# Altium PCB AMS_A2_Sample.PcbDoc (part 1 of 2)
Units mm, origin at the board's own origin, x right, y up, seen from the top; angles counter-clockwise.
Board outline 138.94 x 155.83 mm, 6 copper layers (Top Layer (GND), Int1 (Signal), Int2 (GND), Int3 (PWR), Int4 (GND), Bottom Layer (Signal)), stack 1.551 mm thick; 217 components, 151 nets, 764 pads, 566 vias.
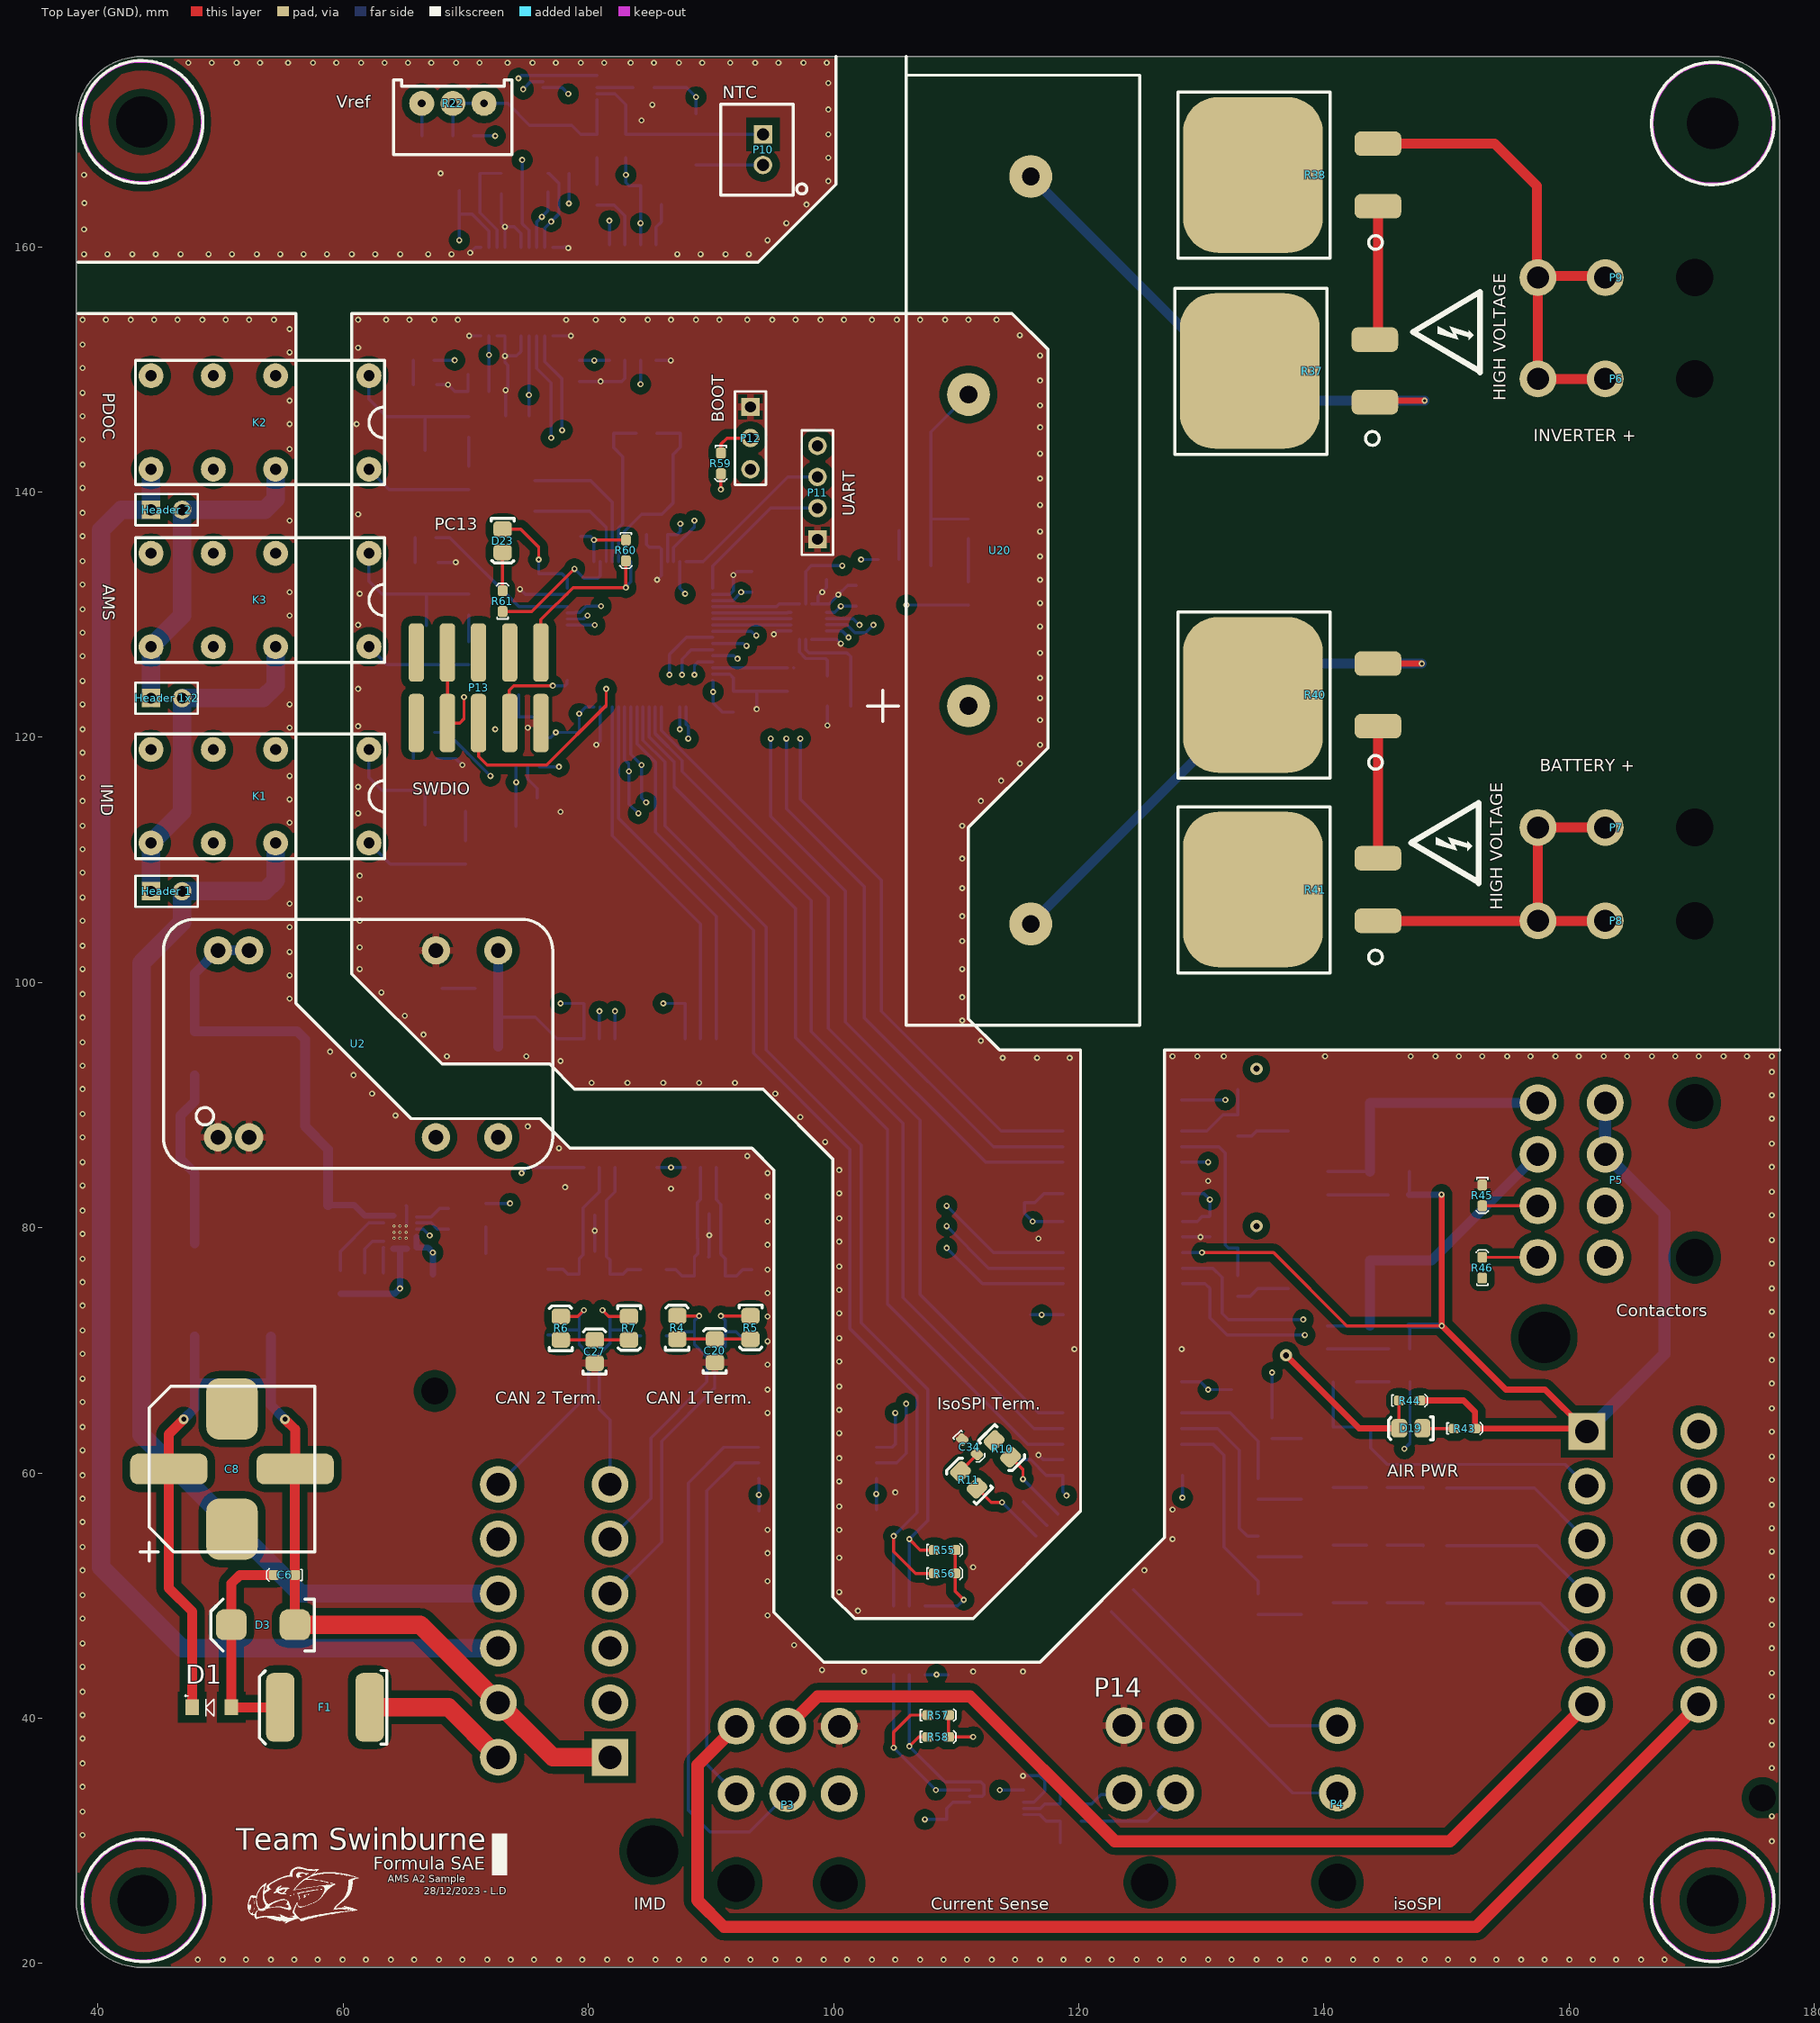
[diagram p0: Top Layer (GND) view]
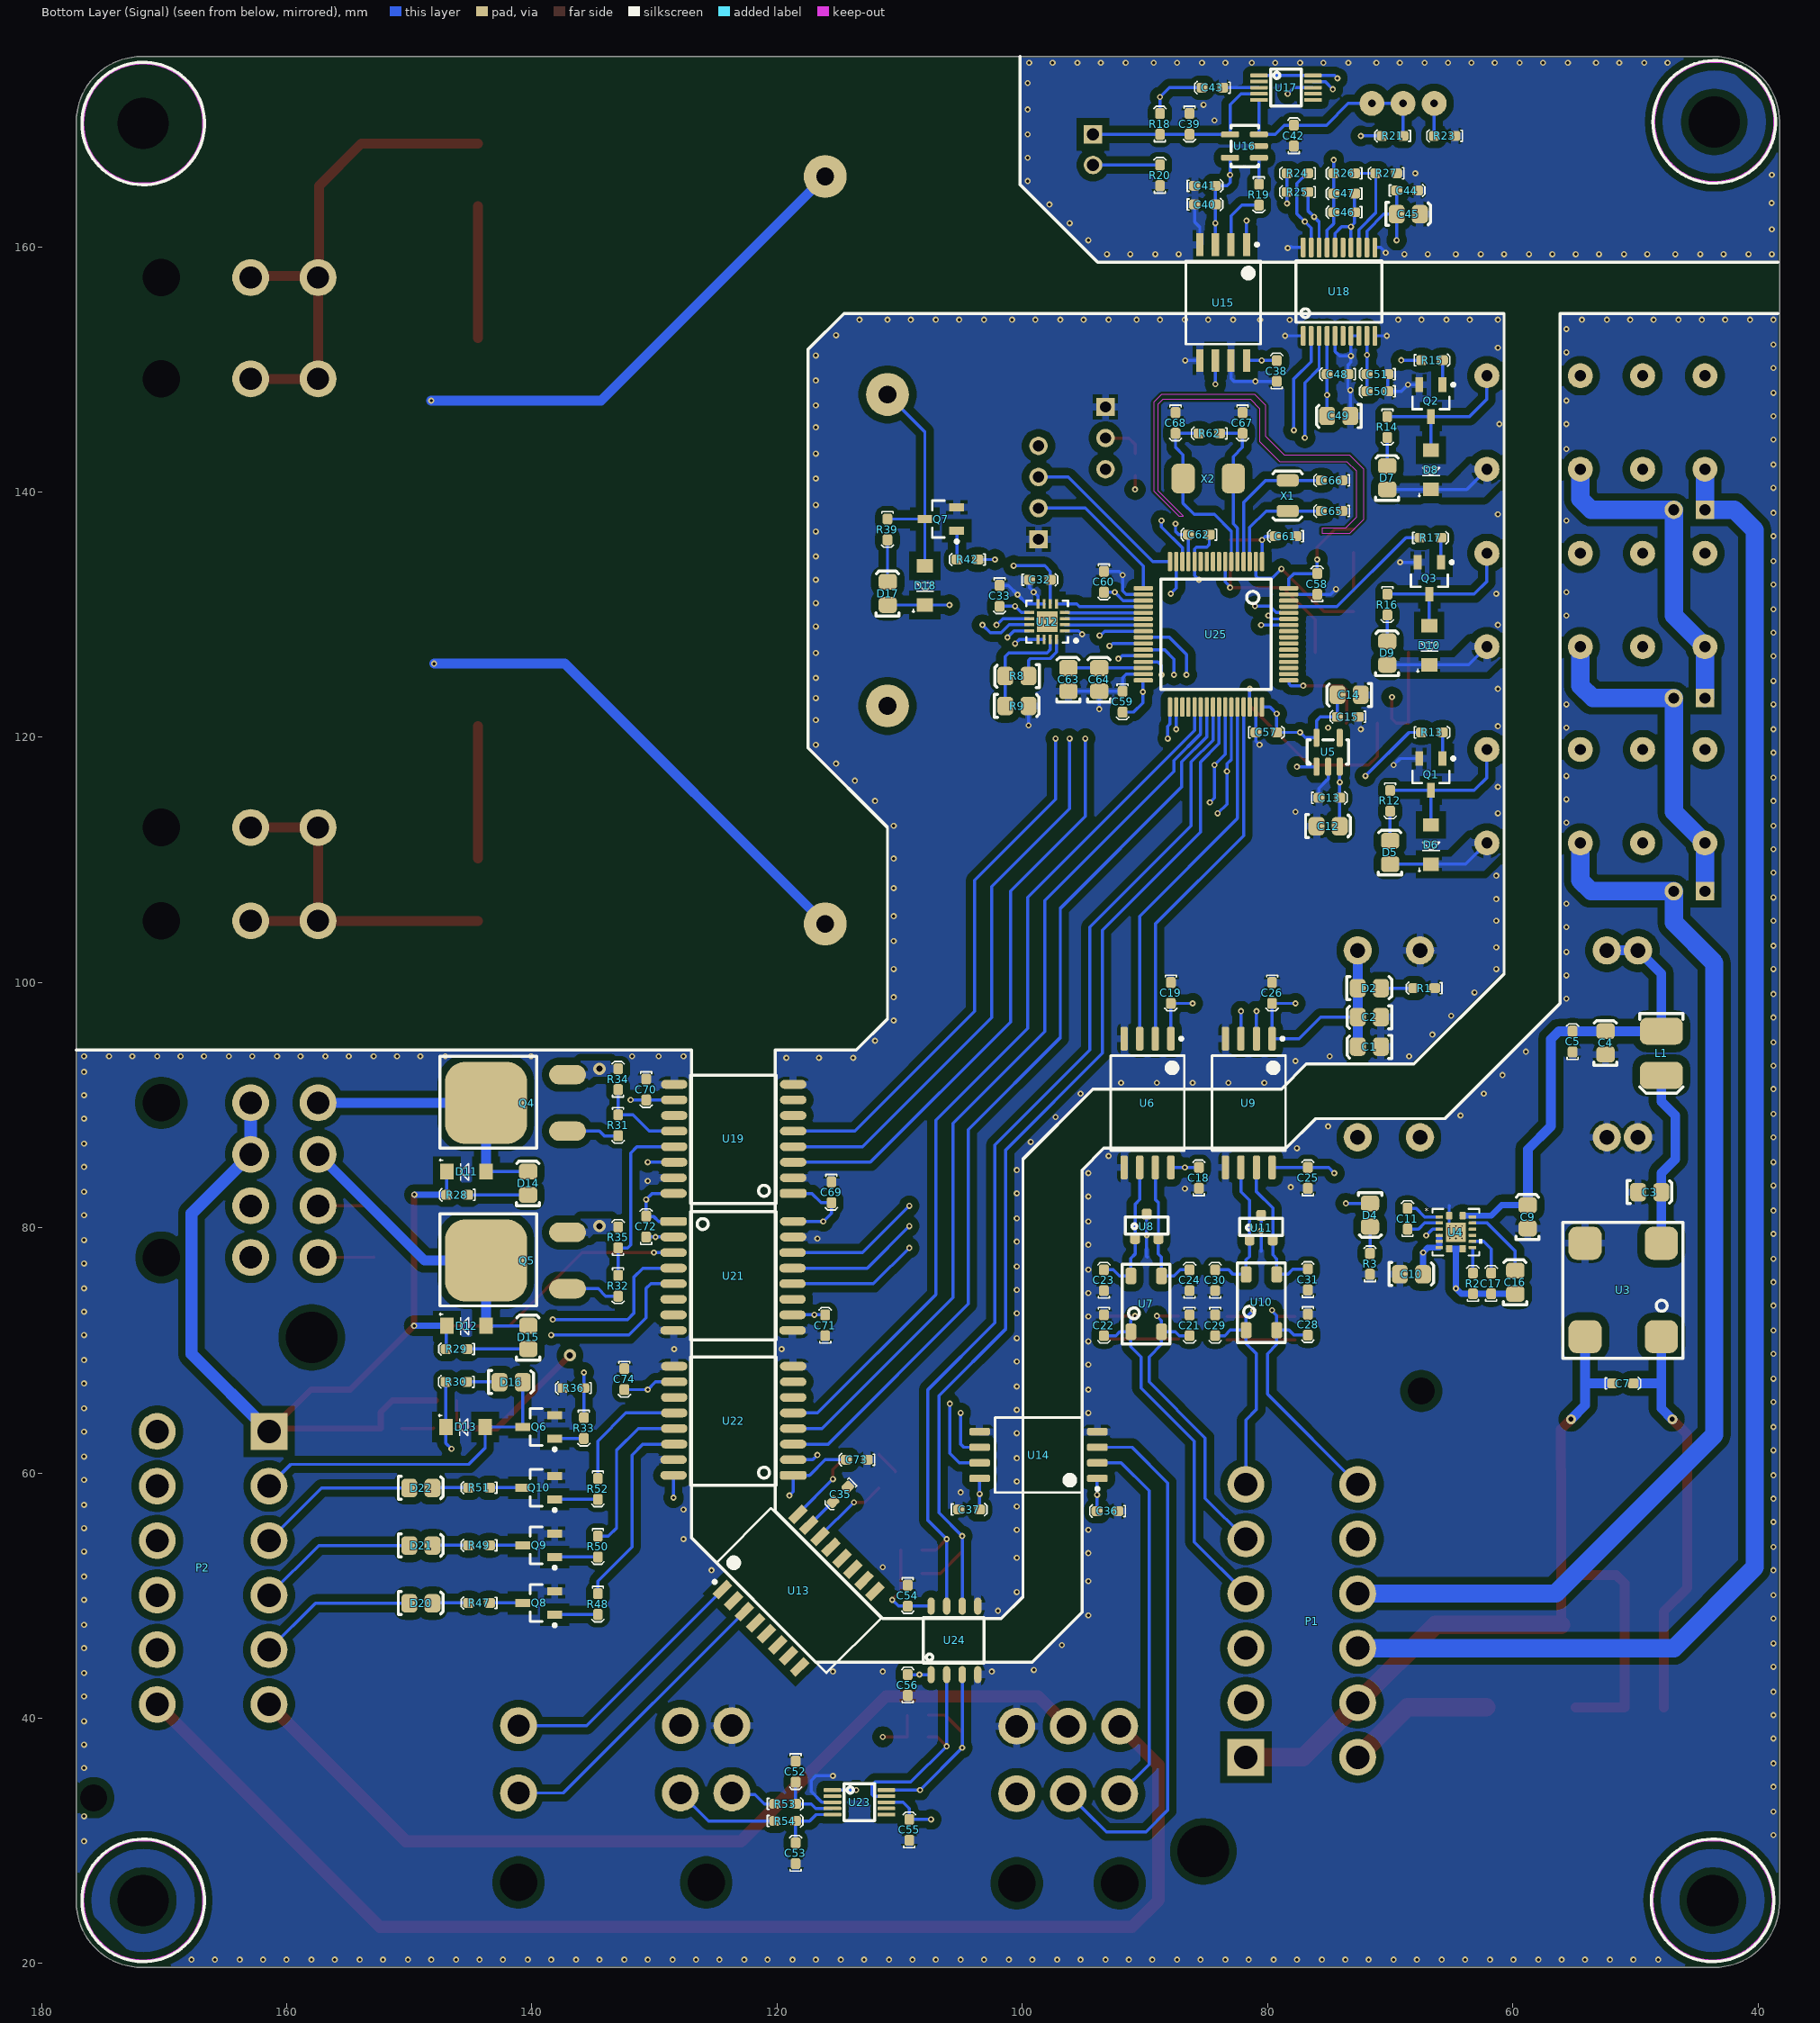
[diagram p1: Bottom Layer (Signal) view, seen from below]
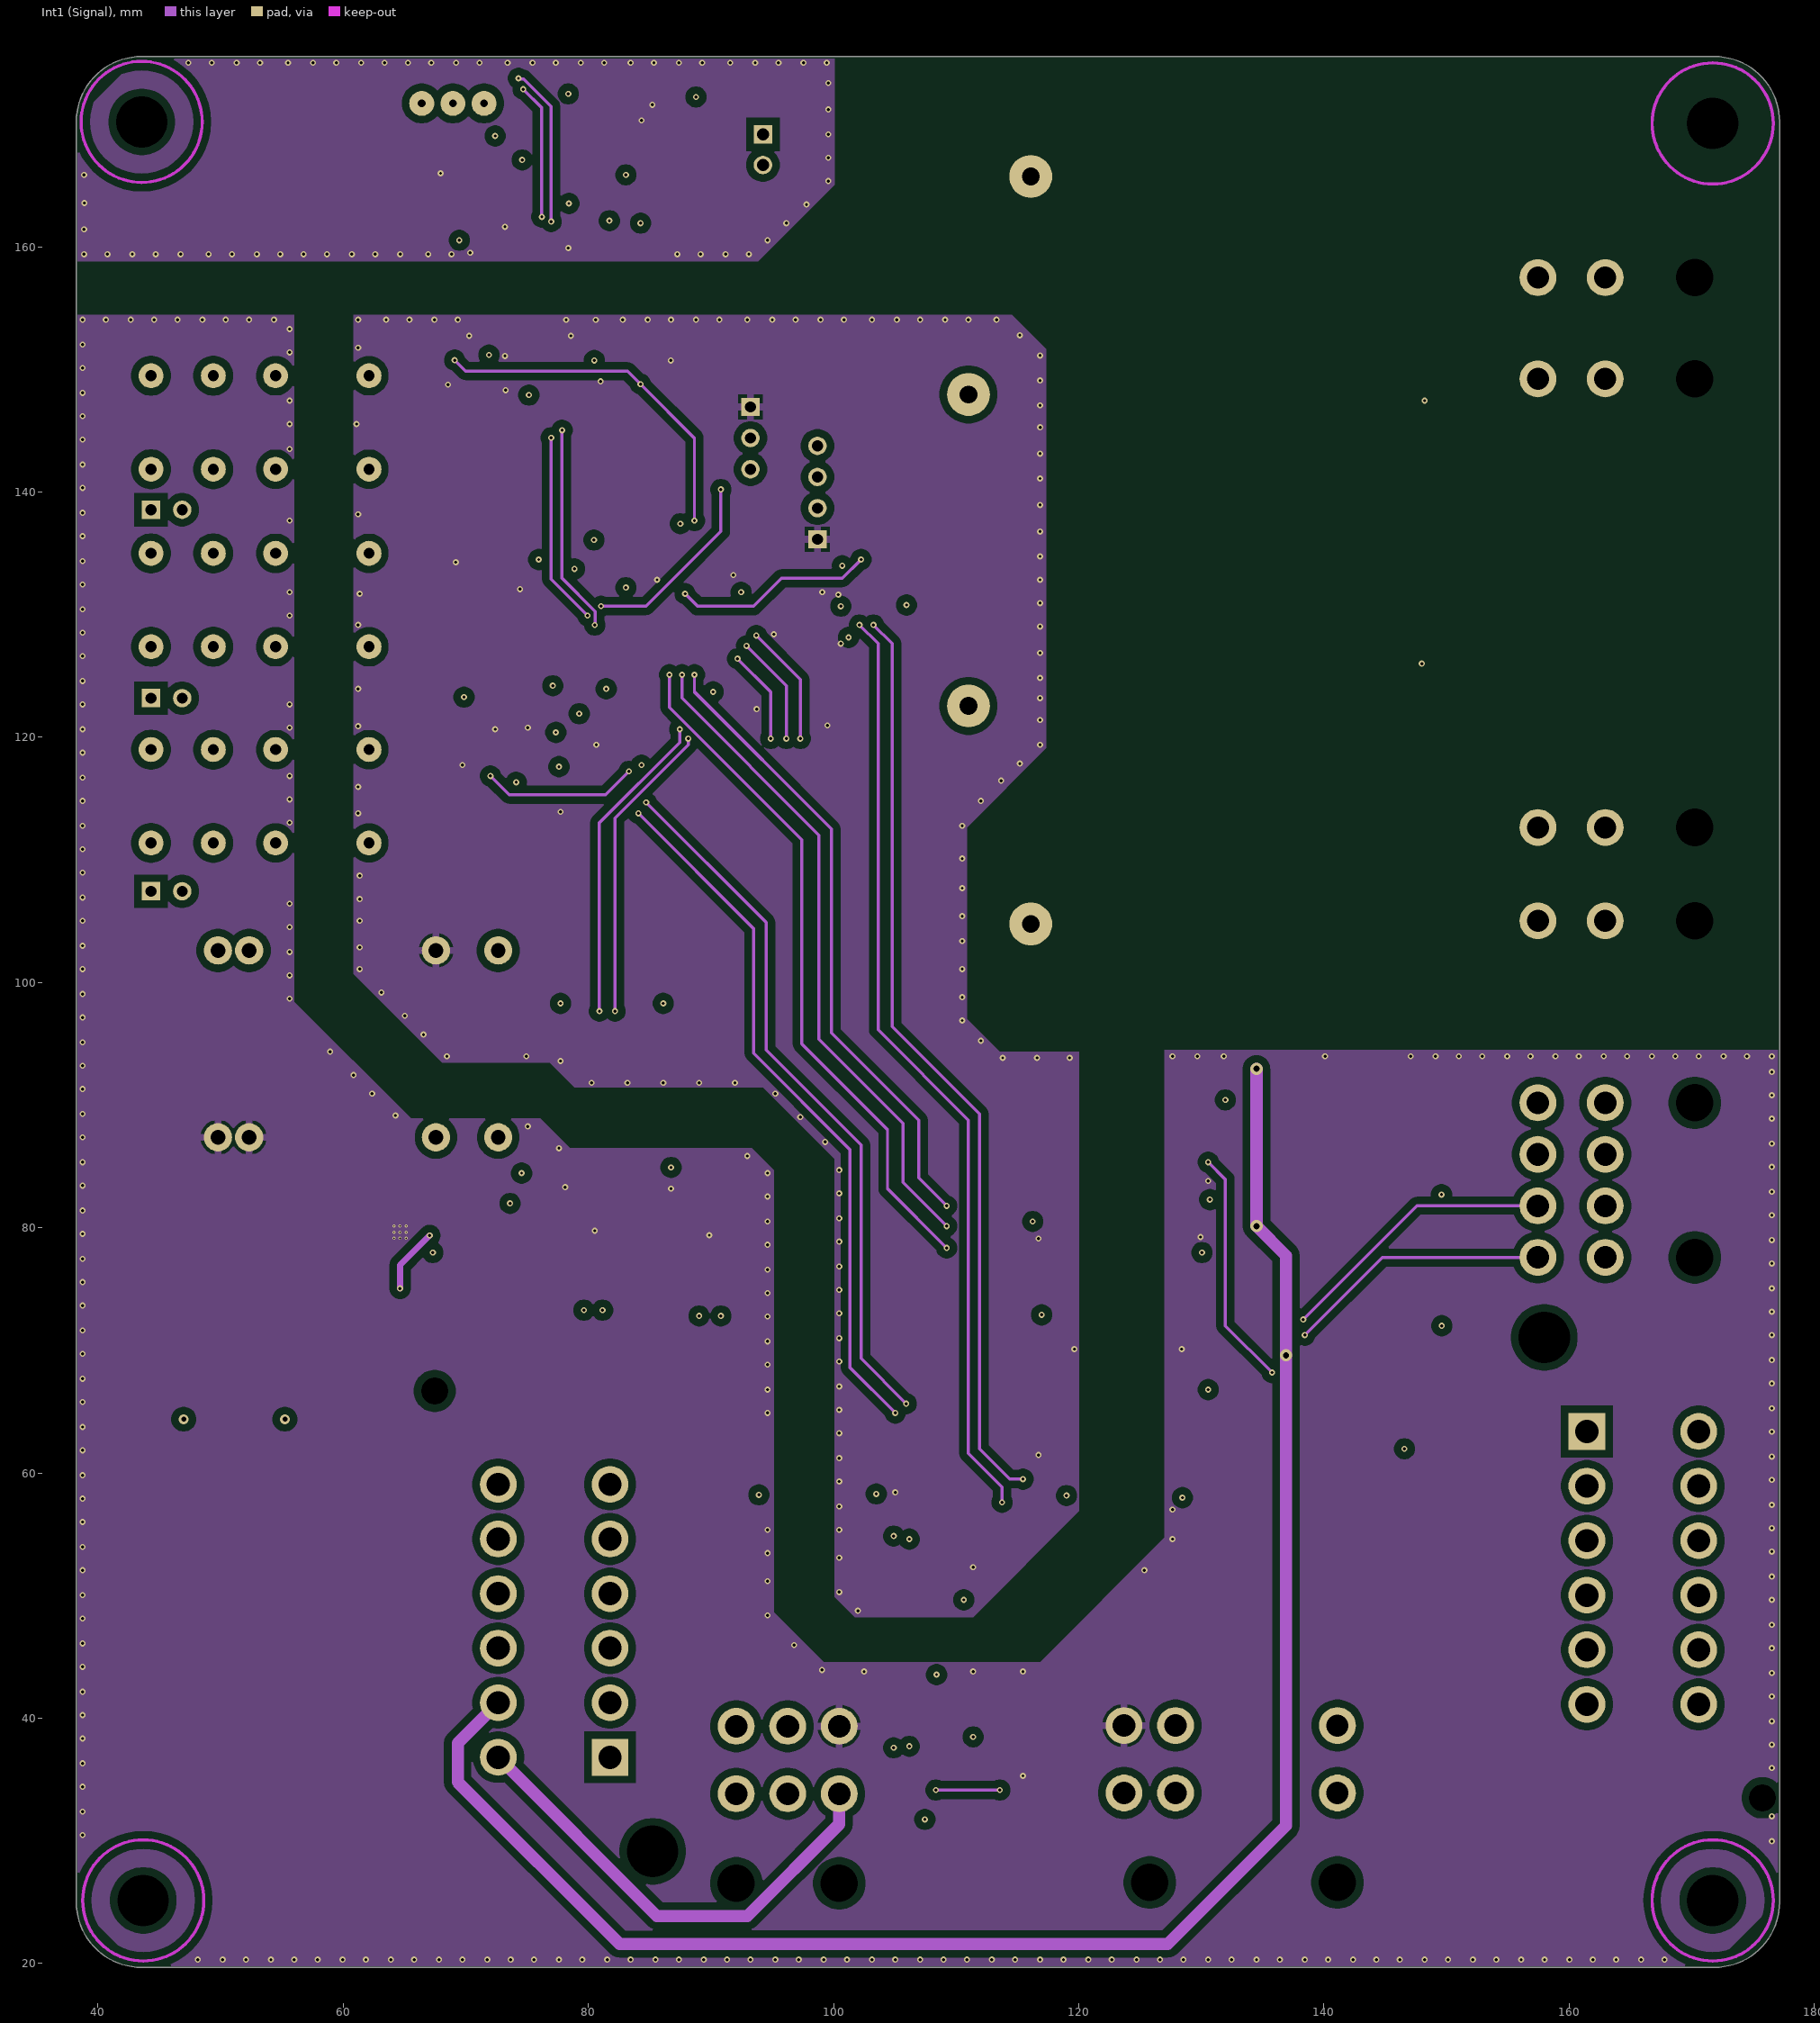
[diagram p2: Int1 (Signal)]
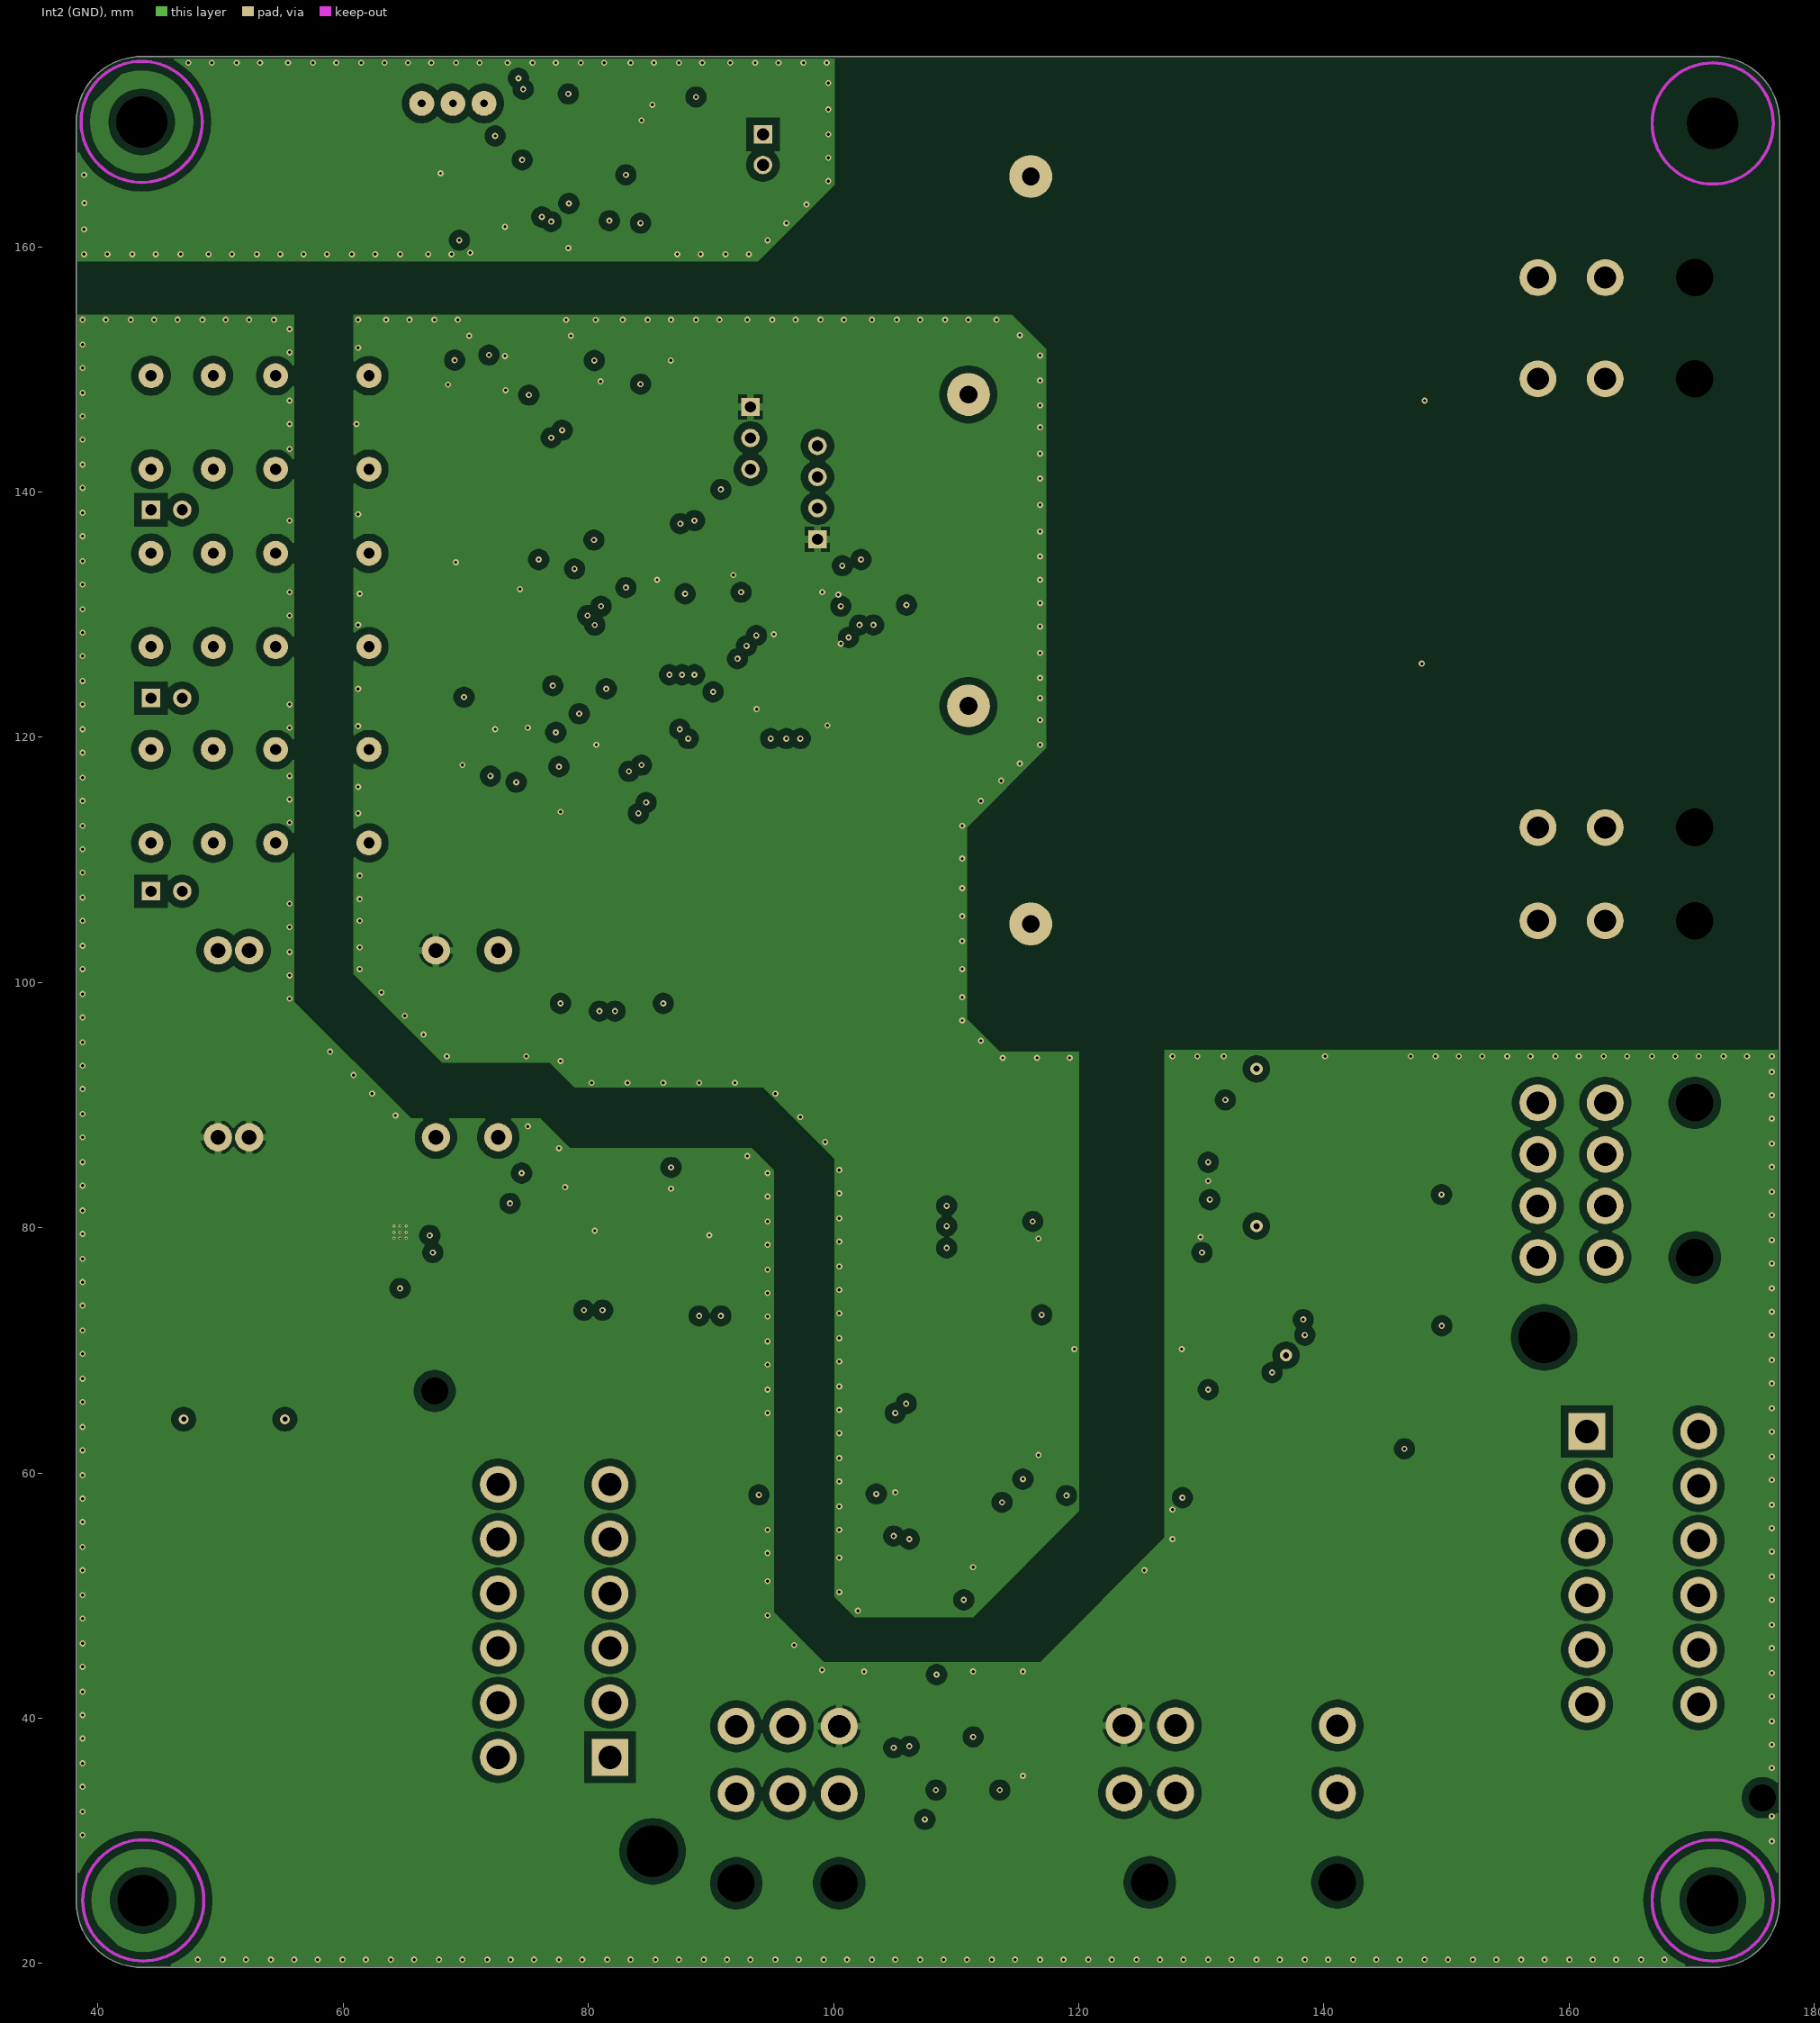
[diagram p3: Int2 (GND)]